# KiCad board rgbwstrip120_250_panel.kicad_pcb (continued)
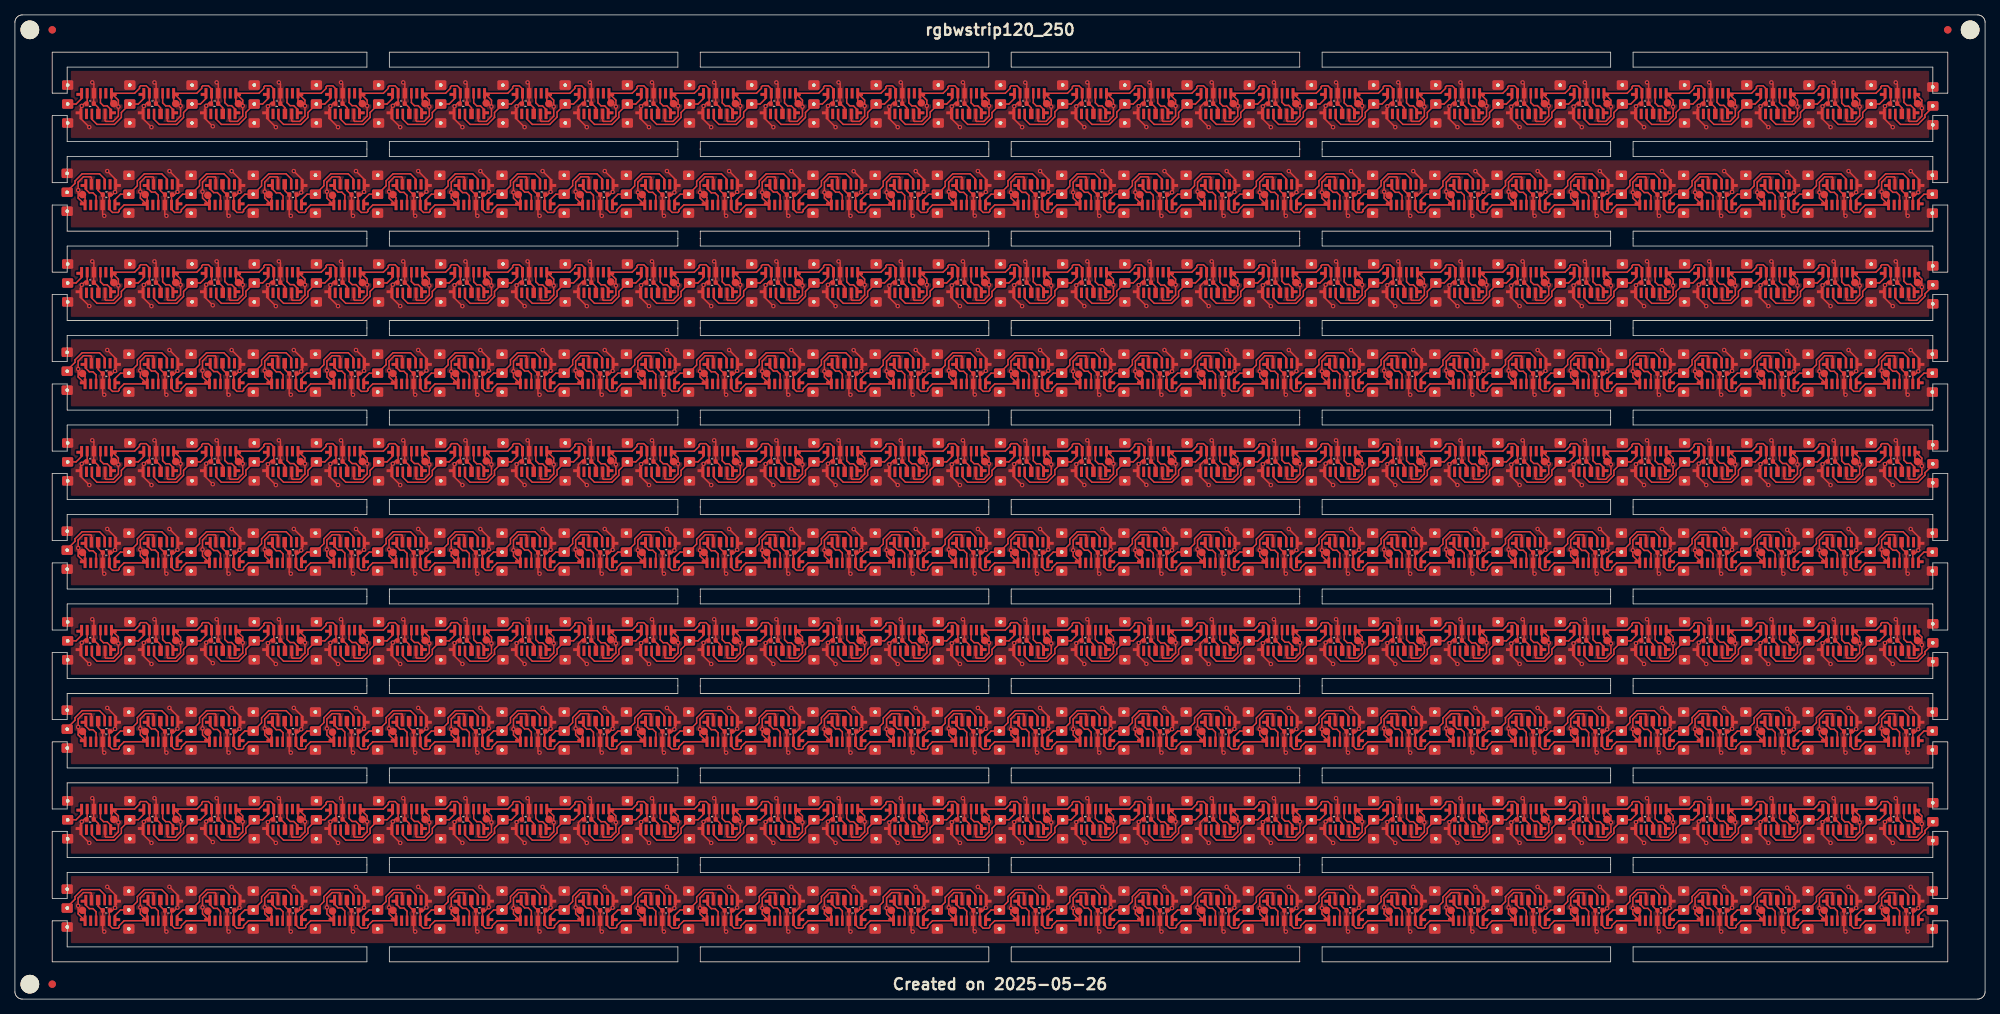
[diagram p0: board, top side]
## Placement (name value [footprint] x y rotation side) (continued)
U12#6  ~  [SK6805SIDE-FRGBW-BW-P6]  52.55 97.49 180 top
U12#7  ~  [SK6805SIDE-FRGBW-BW-P6]  211.45 58.51 0 top
U12#8  ~  [SK6805SIDE-FRGBW-BW-P6]  211.45 82.51 0 top
U12#9  ~  [SK6805SIDE-FRGBW-BW-P6]  52.55 25.49 180 top
U12#10  ~  [SK6805SIDE-FRGBW-BW-P6]  211.45 10.51 0 top
U13  ~  [SK6805SIDE-FRGBW-BW-P6]  203.12 61.28 180 top
U13#2  ~  [SK6805SIDE-FRGBW-BW-P6]  203.12 109.28 180 top
U13#3  ~  [SK6805SIDE-FRGBW-BW-P6]  203.12 85.28 180 top
U13#4  ~  [SK6805SIDE-FRGBW-BW-P6]  60.88 118.72 0 top
U13#5  ~  [SK6805SIDE-FRGBW-BW-P6]  203.12 13.28 180 top
U13#6  ~  [SK6805SIDE-FRGBW-BW-P6]  60.88 46.72 0 top
U13#7  ~  [SK6805SIDE-FRGBW-BW-P6]  60.88 94.72 0 top
U13#8  ~  [SK6805SIDE-FRGBW-BW-P6]  60.88 70.72 0 top
U13#9  ~  [SK6805SIDE-FRGBW-BW-P6]  60.88 22.72 0 top
U13#10  ~  [SK6805SIDE-FRGBW-BW-P6]  203.12 37.28 180 top
U14  ~  [SK6805SIDE-FRGBW-BW-P6]  60.88 97.49 180 top
U14#2  ~  [SK6805SIDE-FRGBW-BW-P6]  60.88 49.49 180 top
U14#3  ~  [SK6805SIDE-FRGBW-BW-P6]  203.12 106.51 0 top
U14#4  ~  [SK6805SIDE-FRGBW-BW-P6]  203.12 34.51 0 top
U14#5  ~  [SK6805SIDE-FRGBW-BW-P6]  203.12 10.51 0 top
U14#6  ~  [SK6805SIDE-FRGBW-BW-P6]  60.88 121.49 180 top
U14#7  ~  [SK6805SIDE-FRGBW-BW-P6]  203.12 82.51 0 top
U14#8  ~  [SK6805SIDE-FRGBW-BW-P6]  60.88 73.49 180 top
U14#9  ~  [SK6805SIDE-FRGBW-BW-P6]  60.88 25.49 180 top
U14#10  ~  [SK6805SIDE-FRGBW-BW-P6]  203.12 58.51 0 top
U15  ~  [SK6805SIDE-FRGBW-BW-P6]  69.22 94.72 0 top
U15#2  ~  [SK6805SIDE-FRGBW-BW-P6]  194.78 61.28 180 top
U15#3  ~  [SK6805SIDE-FRGBW-BW-P6]  194.78 85.28 180 top
U15#4  ~  [SK6805SIDE-FRGBW-BW-P6]  69.22 22.72 0 top
U15#5  ~  [SK6805SIDE-FRGBW-BW-P6]  194.78 109.28 180 top
U15#6  ~  [SK6805SIDE-FRGBW-BW-P6]  194.78 37.28 180 top
U15#7  ~  [SK6805SIDE-FRGBW-BW-P6]  69.22 118.72 0 top
U15#8  ~  [SK6805SIDE-FRGBW-BW-P6]  69.22 46.72 0 top
U15#9  ~  [SK6805SIDE-FRGBW-BW-P6]  69.22 70.72 0 top
U15#10  ~  [SK6805SIDE-FRGBW-BW-P6]  194.78 13.28 180 top
U16  ~  [SK6805SIDE-FRGBW-BW-P6]  194.78 82.51 0 top
U16#2  ~  [SK6805SIDE-FRGBW-BW-P6]  194.78 10.51 0 top
U16#3  ~  [SK6805SIDE-FRGBW-BW-P6]  69.22 97.49 180 top
U16#4  ~  [SK6805SIDE-FRGBW-BW-P6]  69.22 73.49 180 top
U16#5  ~  [SK6805SIDE-FRGBW-BW-P6]  69.22 121.49 180 top
U16#6  ~  [SK6805SIDE-FRGBW-BW-P6]  69.22 25.49 180 top
U16#7  ~  [SK6805SIDE-FRGBW-BW-P6]  194.78 34.51 0 top
U16#8  ~  [SK6805SIDE-FRGBW-BW-P6]  194.78 106.51 0 top
U16#9  ~  [SK6805SIDE-FRGBW-BW-P6]  69.22 49.49 180 top
U16#10  ~  [SK6805SIDE-FRGBW-BW-P6]  194.78 58.51 0 top
U17  ~  [SK6805SIDE-FRGBW-BW-P6]  186.45 85.28 180 top
U17#2  ~  [SK6805SIDE-FRGBW-BW-P6]  77.55 46.72 0 top
U17#3  ~  [SK6805SIDE-FRGBW-BW-P6]  186.45 13.28 180 top
U17#4  ~  [SK6805SIDE-FRGBW-BW-P6]  186.45 37.28 180 top
U17#5  ~  [SK6805SIDE-FRGBW-BW-P6]  77.55 22.72 0 top
U17#6  ~  [SK6805SIDE-FRGBW-BW-P6]  77.55 70.72 0 top
U17#7  ~  [SK6805SIDE-FRGBW-BW-P6]  77.55 118.72 0 top
U17#8  ~  [SK6805SIDE-FRGBW-BW-P6]  186.45 61.28 180 top
U17#9  ~  [SK6805SIDE-FRGBW-BW-P6]  77.55 94.72 0 top
U17#10  ~  [SK6805SIDE-FRGBW-BW-P6]  186.45 109.28 180 top
U18  ~  [SK6805SIDE-FRGBW-BW-P6]  186.45 10.51 0 top
U18#2  ~  [SK6805SIDE-FRGBW-BW-P6]  186.45 34.51 0 top
U18#3  ~  [SK6805SIDE-FRGBW-BW-P6]  186.45 82.51 0 top
U18#4  ~  [SK6805SIDE-FRGBW-BW-P6]  77.55 49.49 180 top
U18#5  ~  [SK6805SIDE-FRGBW-BW-P6]  77.55 121.49 180 top
U18#6  ~  [SK6805SIDE-FRGBW-BW-P6]  77.55 25.49 180 top
U18#7  ~  [SK6805SIDE-FRGBW-BW-P6]  186.45 58.51 0 top
U18#8  ~  [SK6805SIDE-FRGBW-BW-P6]  77.55 73.49 180 top
U18#9  ~  [SK6805SIDE-FRGBW-BW-P6]  77.55 97.49 180 top
U18#10  ~  [SK6805SIDE-FRGBW-BW-P6]  186.45 106.51 0 top
U19  ~  [SK6805SIDE-FRGBW-BW-P6]  85.88 46.72 0 top
U19#2  ~  [SK6805SIDE-FRGBW-BW-P6]  85.88 70.72 0 top
U19#3  ~  [SK6805SIDE-FRGBW-BW-P6]  178.12 61.28 180 top
U19#4  ~  [SK6805SIDE-FRGBW-BW-P6]  178.12 109.28 180 top
U19#5  ~  [SK6805SIDE-FRGBW-BW-P6]  178.12 37.28 180 top
U19#6  ~  [SK6805SIDE-FRGBW-BW-P6]  178.12 13.28 180 top
U19#7  ~  [SK6805SIDE-FRGBW-BW-P6]  85.88 94.72 0 top
U19#8  ~  [SK6805SIDE-FRGBW-BW-P6]  178.12 85.28 180 top
U19#9  ~  [SK6805SIDE-FRGBW-BW-P6]  85.88 118.72 0 top
U19#10  ~  [SK6805SIDE-FRGBW-BW-P6]  85.88 22.72 0 top
U20  ~  [SK6805SIDE-FRGBW-BW-P6]  178.12 10.51 0 top
U20#2  ~  [SK6805SIDE-FRGBW-BW-P6]  85.88 49.49 180 top
U20#3  ~  [SK6805SIDE-FRGBW-BW-P6]  85.88 25.49 180 top
U20#4  ~  [SK6805SIDE-FRGBW-BW-P6]  85.88 121.49 180 top
U20#5  ~  [SK6805SIDE-FRGBW-BW-P6]  178.12 106.51 0 top
U20#6  ~  [SK6805SIDE-FRGBW-BW-P6]  178.12 58.51 0 top
U20#7  ~  [SK6805SIDE-FRGBW-BW-P6]  85.88 97.49 180 top
U20#8  ~  [SK6805SIDE-FRGBW-BW-P6]  178.12 34.51 0 top
U20#9  ~  [SK6805SIDE-FRGBW-BW-P6]  178.12 82.51 0 top
U20#10  ~  [SK6805SIDE-FRGBW-BW-P6]  85.88 73.49 180 top
U21  ~  [SK6805SIDE-FRGBW-BW-P6]  169.78 13.28 180 top
U21#2  ~  [SK6805SIDE-FRGBW-BW-P6]  169.78 37.28 180 top
U21#3  ~  [SK6805SIDE-FRGBW-BW-P6]  94.22 70.72 0 top
U21#4  ~  [SK6805SIDE-FRGBW-BW-P6]  169.78 85.28 180 top
U21#5  ~  [SK6805SIDE-FRGBW-BW-P6]  169.78 61.28 180 top
U21#6  ~  [SK6805SIDE-FRGBW-BW-P6]  94.22 94.72 0 top
U21#7  ~  [SK6805SIDE-FRGBW-BW-P6]  169.78 109.28 180 top
U21#8  ~  [SK6805SIDE-FRGBW-BW-P6]  94.22 22.72 0 top
U21#9  ~  [SK6805SIDE-FRGBW-BW-P6]  94.22 118.72 0 top
U21#10  ~  [SK6805SIDE-FRGBW-BW-P6]  94.22 46.72 0 top
U22  ~  [SK6805SIDE-FRGBW-BW-P6]  169.78 10.51 0 top
U22#2  ~  [SK6805SIDE-FRGBW-BW-P6]  94.22 121.49 180 top
U22#3  ~  [SK6805SIDE-FRGBW-BW-P6]  94.22 73.49 180 top
U22#4  ~  [SK6805SIDE-FRGBW-BW-P6]  169.78 82.51 0 top
U22#5  ~  [SK6805SIDE-FRGBW-BW-P6]  169.78 58.51 0 top
U22#6  ~  [SK6805SIDE-FRGBW-BW-P6]  94.22 49.49 180 top
U22#7  ~  [SK6805SIDE-FRGBW-BW-P6]  94.22 97.49 180 top
U22#8  ~  [SK6805SIDE-FRGBW-BW-P6]  169.78 34.51 0 top
U22#9  ~  [SK6805SIDE-FRGBW-BW-P6]  94.22 25.49 180 top
U22#10  ~  [SK6805SIDE-FRGBW-BW-P6]  169.78 106.51 0 top
U23  ~  [SK6805SIDE-FRGBW-BW-P6]  102.55 94.72 0 top
U23#2  ~  [SK6805SIDE-FRGBW-BW-P6]  161.45 37.28 180 top
U23#3  ~  [SK6805SIDE-FRGBW-BW-P6]  161.45 13.28 180 top
U23#4  ~  [SK6805SIDE-FRGBW-BW-P6]  102.55 46.72 0 top
U23#5  ~  [SK6805SIDE-FRGBW-BW-P6]  102.55 22.72 0 top
U23#6  ~  [SK6805SIDE-FRGBW-BW-P6]  102.55 70.72 0 top
U23#7  ~  [SK6805SIDE-FRGBW-BW-P6]  161.45 61.28 180 top
U23#8  ~  [SK6805SIDE-FRGBW-BW-P6]  102.55 118.72 0 top
U23#9  ~  [SK6805SIDE-FRGBW-BW-P6]  161.45 85.28 180 top
U23#10  ~  [SK6805SIDE-FRGBW-BW-P6]  161.45 109.28 180 top
U24  ~  [SK6805SIDE-FRGBW-BW-P6]  102.55 97.49 180 top
U24#2  ~  [SK6805SIDE-FRGBW-BW-P6]  161.45 10.51 0 top
U24#3  ~  [SK6805SIDE-FRGBW-BW-P6]  102.55 25.49 180 top
U24#4  ~  [SK6805SIDE-FRGBW-BW-P6]  102.55 121.49 180 top
U24#5  ~  [SK6805SIDE-FRGBW-BW-P6]  161.45 106.51 0 top
U24#6  ~  [SK6805SIDE-FRGBW-BW-P6]  161.45 58.51 0 top
U24#7  ~  [SK6805SIDE-FRGBW-BW-P6]  102.55 73.49 180 top
U24#8  ~  [SK6805SIDE-FRGBW-BW-P6]  161.45 82.51 0 top
U24#9  ~  [SK6805SIDE-FRGBW-BW-P6]  102.55 49.49 180 top
U24#10  ~  [SK6805SIDE-FRGBW-BW-P6]  161.45 34.51 0 top
U25  ~  [SK6805SIDE-FRGBW-BW-P6]  110.88 22.72 0 top
U25#2  ~  [SK6805SIDE-FRGBW-BW-P6]  153.12 37.28 180 top
U25#3  ~  [SK6805SIDE-FRGBW-BW-P6]  110.88 46.72 0 top
U25#4  ~  [SK6805SIDE-FRGBW-BW-P6]  153.12 109.28 180 top
U25#5  ~  [SK6805SIDE-FRGBW-BW-P6]  110.88 94.72 0 top
U25#6  ~  [SK6805SIDE-FRGBW-BW-P6]  153.12 85.28 180 top
U25#7  ~  [SK6805SIDE-FRGBW-BW-P6]  153.12 61.28 180 top
U25#8  ~  [SK6805SIDE-FRGBW-BW-P6]  110.88 118.72 0 top
U25#9  ~  [SK6805SIDE-FRGBW-BW-P6]  153.12 13.28 180 top
U25#10  ~  [SK6805SIDE-FRGBW-BW-P6]  110.88 70.72 0 top
U26  ~  [SK6805SIDE-FRGBW-BW-P6]  110.88 73.49 180 top
U26#2  ~  [SK6805SIDE-FRGBW-BW-P6]  110.88 25.49 180 top
U26#3  ~  [SK6805SIDE-FRGBW-BW-P6]  110.88 49.49 180 top
U26#4  ~  [SK6805SIDE-FRGBW-BW-P6]  110.88 121.49 180 top
U26#5  ~  [SK6805SIDE-FRGBW-BW-P6]  153.12 58.51 0 top
U26#6  ~  [SK6805SIDE-FRGBW-BW-P6]  153.12 106.51 0 top
U26#7  ~  [SK6805SIDE-FRGBW-BW-P6]  110.88 97.49 180 top
U26#8  ~  [SK6805SIDE-FRGBW-BW-P6]  153.12 34.51 0 top
U26#9  ~  [SK6805SIDE-FRGBW-BW-P6]  153.12 10.51 0 top
U26#10  ~  [SK6805SIDE-FRGBW-BW-P6]  153.12 82.51 0 top
U27  ~  [SK6805SIDE-FRGBW-BW-P6]  144.78 37.28 180 top
U27#2  ~  [SK6805SIDE-FRGBW-BW-P6]  144.78 85.28 180 top
U27#3  ~  [SK6805SIDE-FRGBW-BW-P6]  119.22 70.72 0 top
U27#4  ~  [SK6805SIDE-FRGBW-BW-P6]  144.78 61.28 180 top
U27#5  ~  [SK6805SIDE-FRGBW-BW-P6]  119.22 94.72 0 top
U27#6  ~  [SK6805SIDE-FRGBW-BW-P6]  119.22 22.72 0 top
U27#7  ~  [SK6805SIDE-FRGBW-BW-P6]  119.22 46.72 0 top
U27#8  ~  [SK6805SIDE-FRGBW-BW-P6]  119.22 118.72 0 top
U27#9  ~  [SK6805SIDE-FRGBW-BW-P6]  144.78 109.28 180 top
U27#10  ~  [SK6805SIDE-FRGBW-BW-P6]  144.78 13.28 180 top
U28  ~  [SK6805SIDE-FRGBW-BW-P6]  144.78 10.51 0 top
U28#2  ~  [SK6805SIDE-FRGBW-BW-P6]  144.78 58.51 0 top
U28#3  ~  [SK6805SIDE-FRGBW-BW-P6]  144.78 106.51 0 top
U28#4  ~  [SK6805SIDE-FRGBW-BW-P6]  119.22 121.49 180 top
U28#5  ~  [SK6805SIDE-FRGBW-BW-P6]  119.22 25.49 180 top
U28#6  ~  [SK6805SIDE-FRGBW-BW-P6]  144.78 34.51 0 top
U28#7  ~  [SK6805SIDE-FRGBW-BW-P6]  119.22 49.49 180 top
U28#8  ~  [SK6805SIDE-FRGBW-BW-P6]  119.22 73.49 180 top
U28#9  ~  [SK6805SIDE-FRGBW-BW-P6]  119.22 97.49 180 top
U28#10  ~  [SK6805SIDE-FRGBW-BW-P6]  144.78 82.51 0 top
U29  ~  [SK6805SIDE-FRGBW-BW-P6]  136.45 13.28 180 top
U29#2  ~  [SK6805SIDE-FRGBW-BW-P6]  127.55 118.72 0 top
U29#3  ~  [SK6805SIDE-FRGBW-BW-P6]  127.55 94.72 0 top
U29#4  ~  [SK6805SIDE-FRGBW-BW-P6]  136.45 37.28 180 top
U29#5  ~  [SK6805SIDE-FRGBW-BW-P6]  127.55 70.72 0 top
U29#6  ~  [SK6805SIDE-FRGBW-BW-P6]  127.55 22.72 0 top
U29#7  ~  [SK6805SIDE-FRGBW-BW-P6]  136.45 85.28 180 top
U29#8  ~  [SK6805SIDE-FRGBW-BW-P6]  136.45 109.28 180 top
U29#9  ~  [SK6805SIDE-FRGBW-BW-P6]  127.55 46.72 0 top
U29#10  ~  [SK6805SIDE-FRGBW-BW-P6]  136.45 61.28 180 top
U30  ~  [SK6805SIDE-FRGBW-BW-P6]  136.45 34.51 0 top
U30#2  ~  [SK6805SIDE-FRGBW-BW-P6]  127.55 25.49 180 top
U30#3  ~  [SK6805SIDE-FRGBW-BW-P6]  127.55 121.49 180 top
U30#4  ~  [SK6805SIDE-FRGBW-BW-P6]  127.55 97.49 180 top
U30#5  ~  [SK6805SIDE-FRGBW-BW-P6]  127.55 73.49 180 top
U30#6  ~  [SK6805SIDE-FRGBW-BW-P6]  127.55 49.49 180 top
U30#7  ~  [SK6805SIDE-FRGBW-BW-P6]  136.45 10.51 0 top
U30#8  ~  [SK6805SIDE-FRGBW-BW-P6]  136.45 82.51 0 top
U30#9  ~  [SK6805SIDE-FRGBW-BW-P6]  136.45 106.51 0 top
U30#10  ~  [SK6805SIDE-FRGBW-BW-P6]  136.45 58.51 0 top
U31  ~  [SK6805SIDE-FRGBW-BW-P6]  135.88 22.72 0 top
U31#2  ~  [SK6805SIDE-FRGBW-BW-P6]  135.88 70.72 0 top
U31#3  ~  [SK6805SIDE-FRGBW-BW-P6]  128.12 109.28 180 top
U31#4  ~  [SK6805SIDE-FRGBW-BW-P6]  135.88 46.72 0 top
U31#5  ~  [SK6805SIDE-FRGBW-BW-P6]  128.12 85.28 180 top
U31#6  ~  [SK6805SIDE-FRGBW-BW-P6]  128.12 13.28 180 top
U31#7  ~  [SK6805SIDE-FRGBW-BW-P6]  128.12 37.28 180 top
U31#8  ~  [SK6805SIDE-FRGBW-BW-P6]  135.88 94.72 0 top
U31#9  ~  [SK6805SIDE-FRGBW-BW-P6]  135.88 118.72 0 top
U31#10  ~  [SK6805SIDE-FRGBW-BW-P6]  128.12 61.28 180 top
U32  ~  [SK6805SIDE-FRGBW-BW-P6]  128.12 106.51 0 top
U32#2  ~  [SK6805SIDE-FRGBW-BW-P6]  128.12 10.51 0 top
U32#3  ~  [SK6805SIDE-FRGBW-BW-P6]  135.88 25.49 180 top
U32#4  ~  [SK6805SIDE-FRGBW-BW-P6]  135.88 97.49 180 top
U32#5  ~  [SK6805SIDE-FRGBW-BW-P6]  135.88 121.49 180 top
U32#6  ~  [SK6805SIDE-FRGBW-BW-P6]  135.88 49.49 180 top
U32#7  ~  [SK6805SIDE-FRGBW-BW-P6]  128.12 82.51 0 top
U32#8  ~  [SK6805SIDE-FRGBW-BW-P6]  128.12 34.51 0 top
U32#9  ~  [SK6805SIDE-FRGBW-BW-P6]  135.88 73.49 180 top
U32#10  ~  [SK6805SIDE-FRGBW-BW-P6]  128.12 58.51 0 top
U33  ~  [SK6805SIDE-FRGBW-BW-P6]  119.78 37.28 180 top
U33#2  ~  [SK6805SIDE-FRGBW-BW-P6]  144.22 70.72 0 top
U33#3  ~  [SK6805SIDE-FRGBW-BW-P6]  119.78 13.28 180 top
U33#4  ~  [SK6805SIDE-FRGBW-BW-P6]  144.22 46.72 0 top
U33#5  ~  [SK6805SIDE-FRGBW-BW-P6]  144.22 118.72 0 top
U33#6  ~  [SK6805SIDE-FRGBW-BW-P6]  144.22 94.72 0 top
U33#7  ~  [SK6805SIDE-FRGBW-BW-P6]  119.78 85.28 180 top
U33#8  ~  [SK6805SIDE-FRGBW-BW-P6]  144.22 22.72 0 top
U33#9  ~  [SK6805SIDE-FRGBW-BW-P6]  119.78 109.28 180 top
U33#10  ~  [SK6805SIDE-FRGBW-BW-P6]  119.78 61.28 180 top
U34  ~  [SK6805SIDE-FRGBW-BW-P6]  144.22 97.49 180 top
U34#2  ~  [SK6805SIDE-FRGBW-BW-P6]  119.78 106.51 0 top
U34#3  ~  [SK6805SIDE-FRGBW-BW-P6]  119.78 58.51 0 top
U34#4  ~  [SK6805SIDE-FRGBW-BW-P6]  144.22 49.49 180 top
U34#5  ~  [SK6805SIDE-FRGBW-BW-P6]  144.22 121.49 180 top
U34#6  ~  [SK6805SIDE-FRGBW-BW-P6]  119.78 10.51 0 top
U34#7  ~  [SK6805SIDE-FRGBW-BW-P6]  144.22 25.49 180 top
U34#8  ~  [SK6805SIDE-FRGBW-BW-P6]  119.78 34.51 0 top
U34#9  ~  [SK6805SIDE-FRGBW-BW-P6]  144.22 73.49 180 top
U34#10  ~  [SK6805SIDE-FRGBW-BW-P6]  119.78 82.51 0 top
U35  ~  [SK6805SIDE-FRGBW-BW-P6]  111.45 85.28 180 top
U35#2  ~  [SK6805SIDE-FRGBW-BW-P6]  111.45 37.28 180 top
U35#3  ~  [SK6805SIDE-FRGBW-BW-P6]  111.45 13.28 180 top
U35#4  ~  [SK6805SIDE-FRGBW-BW-P6]  152.55 46.72 0 top
U35#5  ~  [SK6805SIDE-FRGBW-BW-P6]  111.45 61.28 180 top
U35#6  ~  [SK6805SIDE-FRGBW-BW-P6]  152.55 118.72 0 top
U35#7  ~  [SK6805SIDE-FRGBW-BW-P6]  152.55 22.72 0 top
U35#8  ~  [SK6805SIDE-FRGBW-BW-P6]  152.55 94.72 0 top
U35#9  ~  [SK6805SIDE-FRGBW-BW-P6]  152.55 70.72 0 top
U35#10  ~  [SK6805SIDE-FRGBW-BW-P6]  111.45 109.28 180 top
U36  ~  [SK6805SIDE-FRGBW-BW-P6]  152.55 121.49 180 top
U36#2  ~  [SK6805SIDE-FRGBW-BW-P6]  152.55 49.49 180 top
U36#3  ~  [SK6805SIDE-FRGBW-BW-P6]  152.55 25.49 180 top
U36#4  ~  [SK6805SIDE-FRGBW-BW-P6]  152.55 73.49 180 top
U36#5  ~  [SK6805SIDE-FRGBW-BW-P6]  111.45 106.51 0 top
U36#6  ~  [SK6805SIDE-FRGBW-BW-P6]  111.45 82.51 0 top
U36#7  ~  [SK6805SIDE-FRGBW-BW-P6]  111.45 34.51 0 top
U36#8  ~  [SK6805SIDE-FRGBW-BW-P6]  111.45 58.51 0 top
U36#9  ~  [SK6805SIDE-FRGBW-BW-P6]  111.45 10.51 0 top
U36#10  ~  [SK6805SIDE-FRGBW-BW-P6]  152.55 97.49 180 top
U37  ~  [SK6805SIDE-FRGBW-BW-P6]  160.88 70.72 0 top
U37#2  ~  [SK6805SIDE-FRGBW-BW-P6]  103.12 13.28 180 top
U37#3  ~  [SK6805SIDE-FRGBW-BW-P6]  103.12 61.28 180 top
U37#4  ~  [SK6805SIDE-FRGBW-BW-P6]  160.88 46.72 0 top
U37#5  ~  [SK6805SIDE-FRGBW-BW-P6]  103.12 109.28 180 top
U37#6  ~  [SK6805SIDE-FRGBW-BW-P6]  160.88 94.72 0 top
U37#7  ~  [SK6805SIDE-FRGBW-BW-P6]  103.12 37.28 180 top
U37#8  ~  [SK6805SIDE-FRGBW-BW-P6]  160.88 118.72 0 top
U37#9  ~  [SK6805SIDE-FRGBW-BW-P6]  103.12 85.28 180 top
U37#10  ~  [SK6805SIDE-FRGBW-BW-P6]  160.88 22.72 0 top
U38  ~  [SK6805SIDE-FRGBW-BW-P6]  103.12 10.51 0 top
U38#2  ~  [SK6805SIDE-FRGBW-BW-P6]  103.12 58.51 0 top
U38#3  ~  [SK6805SIDE-FRGBW-BW-P6]  160.88 73.49 180 top
U38#4  ~  [SK6805SIDE-FRGBW-BW-P6]  160.88 121.49 180 top
U38#5  ~  [SK6805SIDE-FRGBW-BW-P6]  103.12 34.51 0 top
U38#6  ~  [SK6805SIDE-FRGBW-BW-P6]  160.88 25.49 180 top
U38#7  ~  [SK6805SIDE-FRGBW-BW-P6]  103.12 82.51 0 top
U38#8  ~  [SK6805SIDE-FRGBW-BW-P6]  160.88 97.49 180 top
U38#9  ~  [SK6805SIDE-FRGBW-BW-P6]  103.12 106.51 0 top
U38#10  ~  [SK6805SIDE-FRGBW-BW-P6]  160.88 49.49 180 top
U39  ~  [SK6805SIDE-FRGBW-BW-P6]  169.22 46.72 0 top
U39#2  ~  [SK6805SIDE-FRGBW-BW-P6]  169.22 22.72 0 top
U39#3  ~  [SK6805SIDE-FRGBW-BW-P6]  169.22 70.72 0 top
U39#4  ~  [SK6805SIDE-FRGBW-BW-P6]  94.78 85.28 180 top
U39#5  ~  [SK6805SIDE-FRGBW-BW-P6]  94.78 61.28 180 top
U39#6  ~  [SK6805SIDE-FRGBW-BW-P6]  94.78 13.28 180 top
U39#7  ~  [SK6805SIDE-FRGBW-BW-P6]  169.22 94.72 0 top
U39#8  ~  [SK6805SIDE-FRGBW-BW-P6]  94.78 109.28 180 top
U39#9  ~  [SK6805SIDE-FRGBW-BW-P6]  94.78 37.28 180 top
U39#10  ~  [SK6805SIDE-FRGBW-BW-P6]  169.22 118.72 0 top
U40  ~  [SK6805SIDE-FRGBW-BW-P6]  169.22 49.49 180 top
U40#2  ~  [SK6805SIDE-FRGBW-BW-P6]  169.22 73.49 180 top
U40#3  ~  [SK6805SIDE-FRGBW-BW-P6]  94.78 106.51 0 top
U40#4  ~  [SK6805SIDE-FRGBW-BW-P6]  94.78 34.51 0 top
U40#5  ~  [SK6805SIDE-FRGBW-BW-P6]  169.22 97.49 180 top
U40#6  ~  [SK6805SIDE-FRGBW-BW-P6]  169.22 25.49 180 top
U40#7  ~  [SK6805SIDE-FRGBW-BW-P6]  169.22 121.49 180 top
U40#8  ~  [SK6805SIDE-FRGBW-BW-P6]  94.78 82.51 0 top
U40#9  ~  [SK6805SIDE-FRGBW-BW-P6]  94.78 10.51 0 top
U40#10  ~  [SK6805SIDE-FRGBW-BW-P6]  94.78 58.51 0 top
U41  ~  [SK6805SIDE-FRGBW-BW-P6]  86.45 85.28 180 top
U41#2  ~  [SK6805SIDE-FRGBW-BW-P6]  86.45 13.28 180 top
U41#3  ~  [SK6805SIDE-FRGBW-BW-P6]  177.55 46.72 0 top
U41#4  ~  [SK6805SIDE-FRGBW-BW-P6]  86.45 61.28 180 top
U41#5  ~  [SK6805SIDE-FRGBW-BW-P6]  177.55 94.72 0 top
U41#6  ~  [SK6805SIDE-FRGBW-BW-P6]  86.45 37.28 180 top
U41#7  ~  [SK6805SIDE-FRGBW-BW-P6]  177.55 118.72 0 top
U41#8  ~  [SK6805SIDE-FRGBW-BW-P6]  177.55 70.72 0 top
U41#9  ~  [SK6805SIDE-FRGBW-BW-P6]  177.55 22.72 0 top
U41#10  ~  [SK6805SIDE-FRGBW-BW-P6]  86.45 109.28 180 top
U42  ~  [SK6805SIDE-FRGBW-BW-P6]  86.45 82.51 0 top
U42#2  ~  [SK6805SIDE-FRGBW-BW-P6]  177.55 49.49 180 top
U42#3  ~  [SK6805SIDE-FRGBW-BW-P6]  86.45 10.51 0 top
U42#4  ~  [SK6805SIDE-FRGBW-BW-P6]  86.45 106.51 0 top
U42#5  ~  [SK6805SIDE-FRGBW-BW-P6]  86.45 34.51 0 top
U42#6  ~  [SK6805SIDE-FRGBW-BW-P6]  177.55 121.49 180 top
U42#7  ~  [SK6805SIDE-FRGBW-BW-P6]  177.55 73.49 180 top
U42#8  ~  [SK6805SIDE-FRGBW-BW-P6]  177.55 25.49 180 top
U42#9  ~  [SK6805SIDE-FRGBW-BW-P6]  177.55 97.49 180 top
U42#10  ~  [SK6805SIDE-FRGBW-BW-P6]  86.45 58.51 0 top
U43  ~  [SK6805SIDE-FRGBW-BW-P6]  185.88 70.72 0 top
U43#2  ~  [SK6805SIDE-FRGBW-BW-P6]  185.88 118.72 0 top
U43#3  ~  [SK6805SIDE-FRGBW-BW-P6]  78.12 85.28 180 top
U43#4  ~  [SK6805SIDE-FRGBW-BW-P6]  185.88 46.72 0 top
U43#5  ~  [SK6805SIDE-FRGBW-BW-P6]  78.12 13.28 180 top
U43#6  ~  [SK6805SIDE-FRGBW-BW-P6]  78.12 37.28 180 top
U43#7  ~  [SK6805SIDE-FRGBW-BW-P6]  78.12 61.28 180 top
U43#8  ~  [SK6805SIDE-FRGBW-BW-P6]  185.88 94.72 0 top
U43#9  ~  [SK6805SIDE-FRGBW-BW-P6]  78.12 109.28 180 top
U43#10  ~  [SK6805SIDE-FRGBW-BW-P6]  185.88 22.72 0 top
U44  ~  [SK6805SIDE-FRGBW-BW-P6]  185.88 73.49 180 top
U44#2  ~  [SK6805SIDE-FRGBW-BW-P6]  78.12 58.51 0 top
U44#3  ~  [SK6805SIDE-FRGBW-BW-P6]  78.12 82.51 0 top
U44#4  ~  [SK6805SIDE-FRGBW-BW-P6]  185.88 97.49 180 top
U44#5  ~  [SK6805SIDE-FRGBW-BW-P6]  185.88 49.49 180 top
U44#6  ~  [SK6805SIDE-FRGBW-BW-P6]  185.88 25.49 180 top
U44#7  ~  [SK6805SIDE-FRGBW-BW-P6]  78.12 106.51 0 top
U44#8  ~  [SK6805SIDE-FRGBW-BW-P6]  78.12 34.51 0 top
U44#9  ~  [SK6805SIDE-FRGBW-BW-P6]  185.88 121.49 180 top
U44#10  ~  [SK6805SIDE-FRGBW-BW-P6]  78.12 10.51 0 top
U45  ~  [SK6805SIDE-FRGBW-BW-P6]  69.78 13.28 180 top
U45#2  ~  [SK6805SIDE-FRGBW-BW-P6]  194.22 70.72 0 top
U45#3  ~  [SK6805SIDE-FRGBW-BW-P6]  194.22 22.72 0 top
U45#4  ~  [SK6805SIDE-FRGBW-BW-P6]  69.78 37.28 180 top
U45#5  ~  [SK6805SIDE-FRGBW-BW-P6]  69.78 85.28 180 top
U45#6  ~  [SK6805SIDE-FRGBW-BW-P6]  194.22 118.72 0 top
U45#7  ~  [SK6805SIDE-FRGBW-BW-P6]  194.22 46.72 0 top
U45#8  ~  [SK6805SIDE-FRGBW-BW-P6]  69.78 109.28 180 top
U45#9  ~  [SK6805SIDE-FRGBW-BW-P6]  69.78 61.28 180 top
U45#10  ~  [SK6805SIDE-FRGBW-BW-P6]  194.22 94.72 0 top
U46  ~  [SK6805SIDE-FRGBW-BW-P6]  194.22 121.49 180 top
U46#2  ~  [SK6805SIDE-FRGBW-BW-P6]  69.78 82.51 0 top
U46#3  ~  [SK6805SIDE-FRGBW-BW-P6]  194.22 73.49 180 top
U46#4  ~  [SK6805SIDE-FRGBW-BW-P6]  69.78 10.51 0 top
U46#5  ~  [SK6805SIDE-FRGBW-BW-P6]  69.78 106.51 0 top
U46#6  ~  [SK6805SIDE-FRGBW-BW-P6]  194.22 25.49 180 top
U46#7  ~  [SK6805SIDE-FRGBW-BW-P6]  194.22 49.49 180 top
U46#8  ~  [SK6805SIDE-FRGBW-BW-P6]  194.22 97.49 180 top
U46#9  ~  [SK6805SIDE-FRGBW-BW-P6]  69.78 58.51 0 top
U46#10  ~  [SK6805SIDE-FRGBW-BW-P6]  69.78 34.51 0 top
U47  ~  [SK6805SIDE-FRGBW-BW-P6]  61.45 109.28 180 top
U47#2  ~  [SK6805SIDE-FRGBW-BW-P6]  61.45 85.28 180 top
U47#3  ~  [SK6805SIDE-FRGBW-BW-P6]  61.45 37.28 180 top
U47#4  ~  [SK6805SIDE-FRGBW-BW-P6]  61.45 61.28 180 top
U47#5  ~  [SK6805SIDE-FRGBW-BW-P6]  61.45 13.28 180 top
U47#6  ~  [SK6805SIDE-FRGBW-BW-P6]  202.55 46.72 0 top
U47#7  ~  [SK6805SIDE-FRGBW-BW-P6]  202.55 70.72 0 top
U47#8  ~  [SK6805SIDE-FRGBW-BW-P6]  202.55 22.72 0 top
U47#9  ~  [SK6805SIDE-FRGBW-BW-P6]  202.55 118.72 0 top
U47#10  ~  [SK6805SIDE-FRGBW-BW-P6]  202.55 94.72 0 top
U48  ~  [SK6805SIDE-FRGBW-BW-P6]  202.55 25.49 180 top
U48#2  ~  [SK6805SIDE-FRGBW-BW-P6]  61.45 10.51 0 top
U48#3  ~  [SK6805SIDE-FRGBW-BW-P6]  61.45 82.51 0 top
U48#4  ~  [SK6805SIDE-FRGBW-BW-P6]  61.45 34.51 0 top
U48#5  ~  [SK6805SIDE-FRGBW-BW-P6]  202.55 97.49 180 top
U48#6  ~  [SK6805SIDE-FRGBW-BW-P6]  61.45 106.51 0 top
U48#7  ~  [SK6805SIDE-FRGBW-BW-P6]  61.45 58.51 0 top
U48#8  ~  [SK6805SIDE-FRGBW-BW-P6]  202.55 73.49 180 top
U48#9  ~  [SK6805SIDE-FRGBW-BW-P6]  202.55 49.49 180 top
U48#10  ~  [SK6805SIDE-FRGBW-BW-P6]  202.55 121.49 180 top
U49  ~  [SK6805SIDE-FRGBW-BW-P6]  53.12 13.28 180 top
U49#2  ~  [SK6805SIDE-FRGBW-BW-P6]  53.12 109.28 180 top
U49#3  ~  [SK6805SIDE-FRGBW-BW-P6]  210.88 118.72 0 top
U49#4  ~  [SK6805SIDE-FRGBW-BW-P6]  210.88 94.72 0 top
U49#5  ~  [SK6805SIDE-FRGBW-BW-P6]  53.12 85.28 180 top
U49#6  ~  [SK6805SIDE-FRGBW-BW-P6]  210.88 22.72 0 top
U49#7  ~  [SK6805SIDE-FRGBW-BW-P6]  210.88 70.72 0 top
U49#8  ~  [SK6805SIDE-FRGBW-BW-P6]  53.12 61.28 180 top
U49#9  ~  [SK6805SIDE-FRGBW-BW-P6]  53.12 37.28 180 top
U49#10  ~  [SK6805SIDE-FRGBW-BW-P6]  210.88 46.72 0 top
U50  ~  [SK6805SIDE-FRGBW-BW-P6]  210.88 121.49 180 top
U50#2  ~  [SK6805SIDE-FRGBW-BW-P6]  210.88 49.49 180 top
U50#3  ~  [SK6805SIDE-FRGBW-BW-P6]  53.12 106.51 0 top
U50#4  ~  [SK6805SIDE-FRGBW-BW-P6]  53.12 10.51 0 top
U50#5  ~  [SK6805SIDE-FRGBW-BW-P6]  53.12 58.51 0 top
U50#6  ~  [SK6805SIDE-FRGBW-BW-P6]  53.12 34.51 0 top
U50#7  ~  [SK6805SIDE-FRGBW-BW-P6]  210.88 73.49 180 top
U50#8  ~  [SK6805SIDE-FRGBW-BW-P6]  53.12 82.51 0 top
U50#9  ~  [SK6805SIDE-FRGBW-BW-P6]  210.88 97.49 180 top
U50#10  ~  [SK6805SIDE-FRGBW-BW-P6]  210.88 25.49 180 top
U51  ~  [SK6805SIDE-FRGBW-BW-P6]  219.22 94.72 0 top
U51#2  ~  [SK6805SIDE-FRGBW-BW-P6]  44.78 61.28 180 top
U51#3  ~  [SK6805SIDE-FRGBW-BW-P6]  219.22 70.72 0 top
U51#4  ~  [SK6805SIDE-FRGBW-BW-P6]  44.78 85.28 180 top
U51#5  ~  [SK6805SIDE-FRGBW-BW-P6]  219.22 46.72 0 top
U51#6  ~  [SK6805SIDE-FRGBW-BW-P6]  44.78 13.28 180 top
U51#7  ~  [SK6805SIDE-FRGBW-BW-P6]  44.78 37.28 180 top
U51#8  ~  [SK6805SIDE-FRGBW-BW-P6]  219.22 22.72 0 top
U51#9  ~  [SK6805SIDE-FRGBW-BW-P6]  219.22 118.72 0 top
U51#10  ~  [SK6805SIDE-FRGBW-BW-P6]  44.78 109.28 180 top
U52  ~  [SK6805SIDE-FRGBW-BW-P6]  44.78 34.51 0 top
U52#2  ~  [SK6805SIDE-FRGBW-BW-P6]  44.78 106.51 0 top
U52#3  ~  [SK6805SIDE-FRGBW-BW-P6]  44.78 58.51 0 top
U52#4  ~  [SK6805SIDE-FRGBW-BW-P6]  219.22 25.49 180 top
U52#5  ~  [SK6805SIDE-FRGBW-BW-P6]  44.78 82.51 0 top
U52#6  ~  [SK6805SIDE-FRGBW-BW-P6]  219.22 97.49 180 top
U52#7  ~  [SK6805SIDE-FRGBW-BW-P6]  219.22 121.49 180 top
U52#8  ~  [SK6805SIDE-FRGBW-BW-P6]  44.78 10.51 0 top
U52#9  ~  [SK6805SIDE-FRGBW-BW-P6]  219.22 73.49 180 top
U52#10  ~  [SK6805SIDE-FRGBW-BW-P6]  219.22 49.49 180 top
U53  ~  [SK6805SIDE-FRGBW-BW-P6]  36.45 37.28 180 top
U53#2  ~  [SK6805SIDE-FRGBW-BW-P6]  36.45 109.28 180 top
U53#3  ~  [SK6805SIDE-FRGBW-BW-P6]  227.55 94.72 0 top
U53#4  ~  [SK6805SIDE-FRGBW-BW-P6]  227.55 46.72 0 top
U53#5  ~  [SK6805SIDE-FRGBW-BW-P6]  227.55 118.72 0 top
U53#6  ~  [SK6805SIDE-FRGBW-BW-P6]  227.55 70.72 0 top
U53#7  ~  [SK6805SIDE-FRGBW-BW-P6]  36.45 13.28 180 top
U53#8  ~  [SK6805SIDE-FRGBW-BW-P6]  227.55 22.72 0 top
U53#9  ~  [SK6805SIDE-FRGBW-BW-P6]  36.45 61.28 180 top
U53#10  ~  [SK6805SIDE-FRGBW-BW-P6]  36.45 85.28 180 top
U54  ~  [SK6805SIDE-FRGBW-BW-P6]  36.45 58.51 0 top
U54#2  ~  [SK6805SIDE-FRGBW-BW-P6]  227.55 97.49 180 top
U54#3  ~  [SK6805SIDE-FRGBW-BW-P6]  36.45 34.51 0 top
U54#4  ~  [SK6805SIDE-FRGBW-BW-P6]  227.55 121.49 180 top
U54#5  ~  [SK6805SIDE-FRGBW-BW-P6]  36.45 82.51 0 top
U54#6  ~  [SK6805SIDE-FRGBW-BW-P6]  227.55 73.49 180 top
U54#7  ~  [SK6805SIDE-FRGBW-BW-P6]  36.45 10.51 0 top
U54#8  ~  [SK6805SIDE-FRGBW-BW-P6]  36.45 106.51 0 top
U54#9  ~  [SK6805SIDE-FRGBW-BW-P6]  227.55 25.49 180 top
U54#10  ~  [SK6805SIDE-FRGBW-BW-P6]  227.55 49.49 180 top
U55  ~  [SK6805SIDE-FRGBW-BW-P6]  28.12 61.28 180 top
U55#2  ~  [SK6805SIDE-FRGBW-BW-P6]  235.88 70.72 0 top
U55#3  ~  [SK6805SIDE-FRGBW-BW-P6]  235.88 94.72 0 top
U55#4  ~  [SK6805SIDE-FRGBW-BW-P6]  28.12 13.28 180 top
U55#5  ~  [SK6805SIDE-FRGBW-BW-P6]  28.12 109.28 180 top
U55#6  ~  [SK6805SIDE-FRGBW-BW-P6]  235.88 118.72 0 top
U55#7  ~  [SK6805SIDE-FRGBW-BW-P6]  28.12 85.28 180 top
U55#8  ~  [SK6805SIDE-FRGBW-BW-P6]  28.12 37.28 180 top
U55#9  ~  [SK6805SIDE-FRGBW-BW-P6]  235.88 22.72 0 top
U55#10  ~  [SK6805SIDE-FRGBW-BW-P6]  235.88 46.72 0 top
U56  ~  [SK6805SIDE-FRGBW-BW-P6]  28.12 106.51 0 top
U56#2  ~  [SK6805SIDE-FRGBW-BW-P6]  28.12 10.51 0 top
U56#3  ~  [SK6805SIDE-FRGBW-BW-P6]  28.12 82.51 0 top
U56#4  ~  [SK6805SIDE-FRGBW-BW-P6]  235.88 121.49 180 top
U56#5  ~  [SK6805SIDE-FRGBW-BW-P6]  235.88 73.49 180 top
U56#6  ~  [SK6805SIDE-FRGBW-BW-P6]  235.88 25.49 180 top
U56#7  ~  [SK6805SIDE-FRGBW-BW-P6]  28.12 34.51 0 top
U56#8  ~  [SK6805SIDE-FRGBW-BW-P6]  235.88 97.49 180 top
U56#9  ~  [SK6805SIDE-FRGBW-BW-P6]  235.88 49.49 180 top
U56#10  ~  [SK6805SIDE-FRGBW-BW-P6]  28.12 58.51 0 top
U57  ~  [SK6805SIDE-FRGBW-BW-P6]  244.22 118.72 0 top